# KiCad board pcb.kicad_pcb (continued)
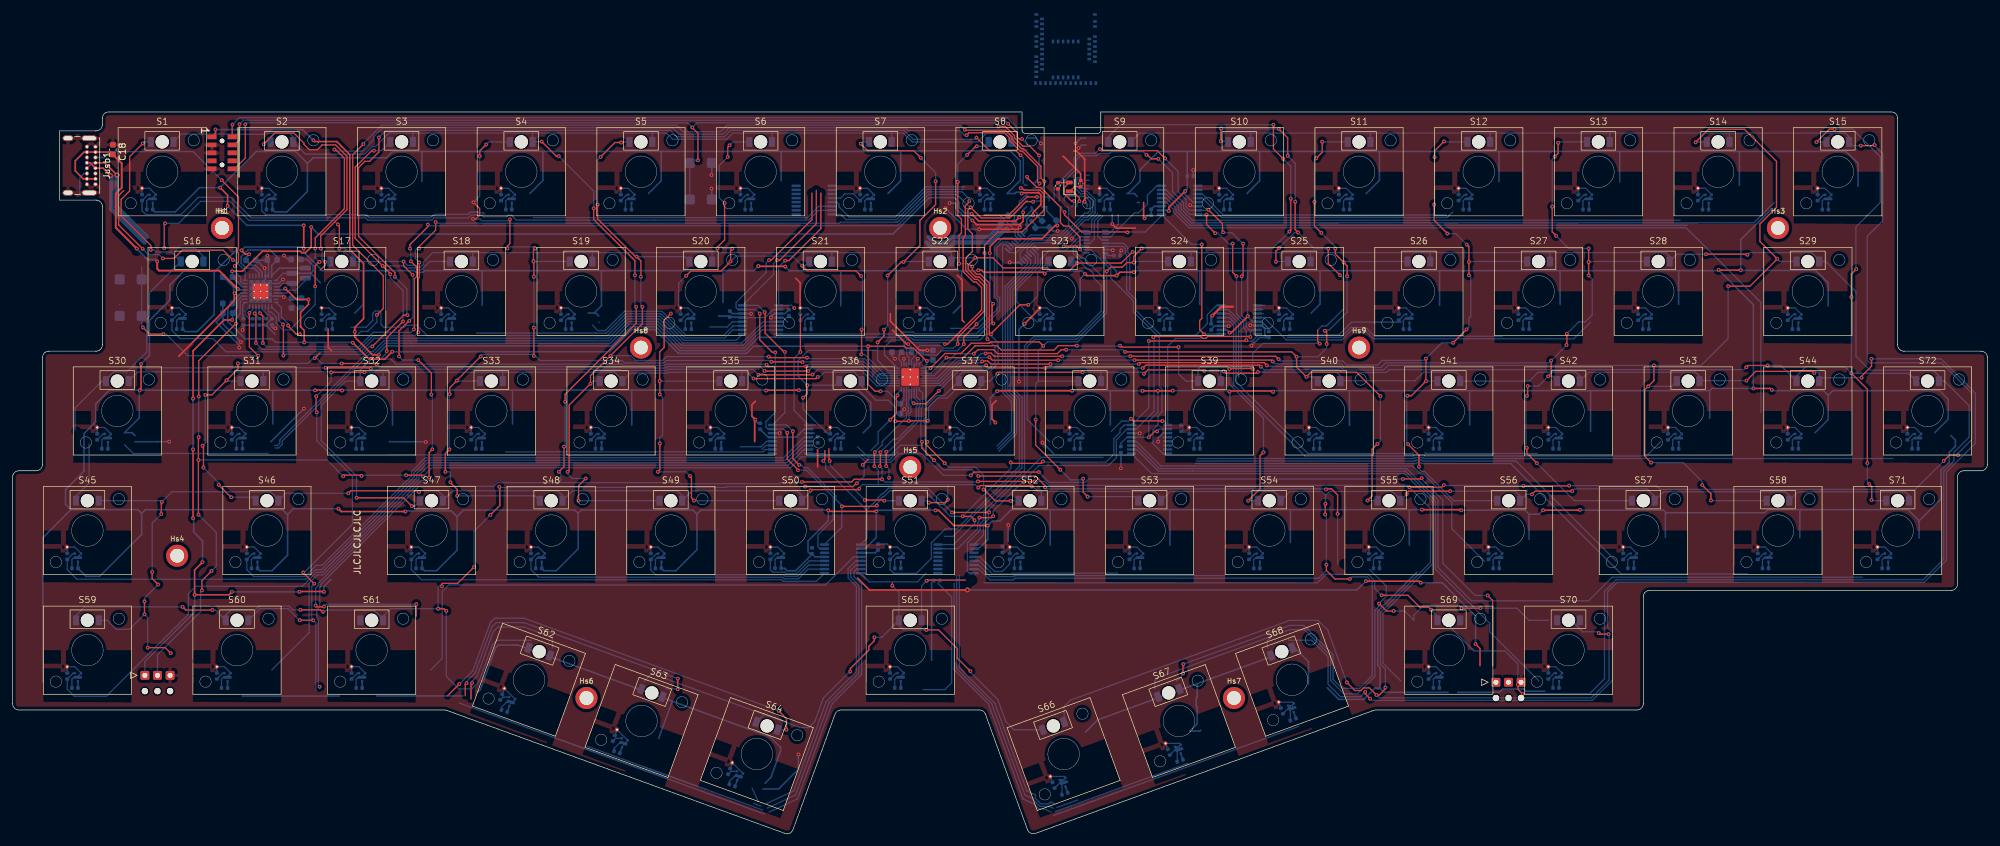
[diagram p0: board, top side]
## Routing (per net, layer and track width the routed paths; a pad name or vN(x,y) marks a point on that pad's centre or on a via; arc(x,y) is an arc through that point) (continued)
  Bottom w0.2: Cvout15.1 287.48,101.46 TMR15.1 ; 279.65,100.23 276.43,97.01 187.1,97.01 185.08,99.03 185.08,99.63 183.12,101.59 MUXB5.6
/ANA_16: length 106.1
  Bottom w0.2: TMR16.1 26.23,82.46 Cvout16.1 25.3,79.91 26.6,78.61 31.79,78.61 33.89,76.51 55.28,76.51 57.44,78.67 62.9,78.67 62.9,78.67 94.57,78.67 97.65,81.75 102.59,81.75 106.41,77.93 115.79,77.93 119.14,81.29 MUXB2.5
/ANA_17: length 71.7
  Bottom w0.2: TMR17.1 49.98,82.46 Cvout17.1 ; MUXB2.9 114.88,78.33 106.58,78.33 102.76,82.15 97.49,82.15 94.41,79.07 92.4,79.07 92.38,79.09 65.8,79.09 64.17,80.72 62.46,80.72 62.15,80.41 58.94,80.41 58.48,80.87 58.48,82.63 58.1,83.01 57.56,83.01 57.18,82.63 57.18,81.49 56.1,80.41 53.74,80.41
/ANA_18: length 47.2
  Bottom w0.2: Cvout18.1 68.98,82.46 TMR18.1 ; MUXB2.10 114.3,79.99 113.05,78.73 106.74,78.73 102.92,82.55 97.32,82.55 94.24,79.47 92.56,79.47 92.54,79.49 73.66,79.49
/ANA_19: length 29.3
  Bottom w0.2: Cvout19.1 87.98,82.46 TMR19.1 ; MUXB2.11 114.39,80.64 112.88,79.13 106.91,79.13 103.09,82.95 97.15,82.95 94.07,79.87 92.94,79.87 92.05,80.76
/ANA_20: length 7.1
  Bottom w0.2: TMR20.1 106.98,82.46 Cvout20.1 ; MUXB2.12 114.28,81.29 113.45,80.46 110.69,80.46
/ANA_21: length 3.3
  Bottom w0.2: TMR21.1 125.98,82.46 Cvout21.1 ; MUXB2.4 122.35,81.94 123.05,81.23
/ANA_22: length 24.6
  Bottom w0.2: TMR22.1 144.98,82.46 Cvout22.1 ; MUXA1.13 159.3,94.08 158.76,94.61 157.25,94.61 155.88,93.24 155.88,85.3 156.31,84.87 156.31,83.24 153.3,80.24 148.91,80.24
/ANA_23: length 23.2
  Bottom w0.2: TMR23.1 163.98,82.46 Cvout23.1 ; 162.62,81.23 159.42,84.43 159.42,86.48 163.17,90.23 163.17,91.19 164.58,92.6 167.14,92.6 169.29,94.75 MUXA2.6
/ANA_24: length 12.3
  Bottom w0.2: MUXA2.13 176.35,93.75 177.05,93.05 177.05,92.28 177.35,91.98 177.35,86.33 ; Cvout24.1 182.98,82.46 TMR24.1
/ANA_25: length 2.8
  Bottom w0.2: Cvout25.1 201.98,82.46 TMR25.1 ; MUXB6.9 198.79,83.89
/ANA_26: length 21.2
  Bottom w0.2: MUXB6.10 198.51,83.24 ; 202.54,79.2 210.54,79.2 212.57,81.23 220.45,81.23 ; TMR26.1 220.98,82.46 Cvout26.1
/ANA_27: length 37.9
  Bottom w0.2: 202.38,78.8 210.83,78.8 212.4,80.37 214.82,80.37 216.21,78.98 236.49,78.98 ; TMR27.1 239.98,82.46 Cvout27.1 ; MUXB6.11 198.59,82.59
/ANA_28: length 58.3
  Bottom w0.2: TMR28.1 258.98,82.46 Cvout28.1 ; MUXB6.12 198.68,81.94 202.21,78.4 211,78.4 212.57,79.97 214.65,79.97 216.04,78.58 247.85,78.58 250.5,81.23
/ANA_29: length 87.1
  Bottom w0.2: MUXB5.5 183.12,100.94 184.68,99.38 184.68,98.87 186.94,96.61 265.86,96.61 ; TMR29.1 282.73,82.46 Cvout29.1
/ANA_30: length 116.1
  Bottom w0.2: 17.76,61.76 19.17,60.35 40.59,60.35 ; MUXB2.7 118.98,79.99 116.12,77.13 106.08,77.13 102.29,80.93 97.96,80.93 94.9,77.87 63.23,77.87 59.1,77.87 57.37,76.14 56.61,76.14 42.8,62.33 42.8,61.82 42.21,61.23 41.7,61.23 ; TMR30.1 14.35,63.46 Cvout30.1
/ANA_31: length 93
  Bottom w0.2: 41.55,61.63 42.05,61.63 42.4,61.98 42.4,62.48 42.39,62.49 56.44,76.54 57.2,76.54 58.93,78.27 63.06,78.27 94.74,78.27 97.79,81.33 102.45,81.33 106.25,77.53 115.96,77.53 119.06,80.64 MUXB2.6 ; TMR31.1 35.73,63.46 Cvout31.1
/ANA_32: length 62.5
  Bottom w0.2: Cvout32.1 54.73,63.46 TMR32.1 ; MUXB3.9 120.44,60.14 59.76,60.14
/ANA_33: length 44.1
  Bottom w0.2: Cvout33.1 73.73,63.46 TMR33.1 ; MUXB3.10 119.5,60.99 119.14,60.62 78.28,60.62
/ANA_34: length 3.5
  Bottom w0.2: TMR34.1 92.73,63.46 Cvout34.1 ; 118.97,61.02 119.59,61.64 MUXB3.11
/ANA_35: length 7.1
  Bottom w0.2: TMR35.1 111.73,63.46 Cvout35.1 ; MUXB3.12 119.67,62.29 118.81,61.42 115.48,61.42
/ANA_36: length 47.2
  Bottom w0.2: 134.14,61.41 135.76,59.79 139.08,59.79 140.96,61.67 144.12,61.67 144.67,61.12 ; Cvout36.1 130.73,63.46 TMR36.1 ; 156.41,61.12 158.98,63.69 158.98,68.8 157.58,70.2 157.58,70.2 157.58,86.9 161.12,90.44 161.12,90.85 MUXA1.6
/ANA_37: length 36.4
  Bottom w0.2: 156.24,61.52 158.58,63.86 158.58,68.63 157.18,70.03 157.16,70.05 157.16,92.76 157.14,92.77 157.14,93.08 157.16,93.1 157.16,93.39 157.32,93.55 157.7,93.55 158.24,93.02 MUXA1.10 ; TMR37.1 149.73,63.46 Cvout37.1
/ANA_38: length 46.8
  Bottom w0.2: Cvout38.1 168.73,63.46 TMR38.1 ; MUXA2.3 169.91,93.25 169.7,93.46 169.18,93.46 168.82,93.11 168.82,92.27 169.63,91.46 170.01,91.46 173.28,88.19 173.28,82.86 168.93,78.51 162.26,78.51 161.06,77.31 161.06,65.78 164.61,62.23
/ANA_39: length 1.6
  Bottom w0.2: TMR39.1 187.73,63.46 Cvout39.1
/ANA_40: length 13.4
  Bottom w0.2: TMR40.1 206.73,63.46 Cvout40.1 ; 195.03,73.4 195.03,81.21 193,83.24 MUXB6.7
/ANA_41: length 13.6
  Bottom w0.2: MUXB6.6 193.09,82.59 194.63,81.04 194.63,72.45 ; Cvout41.1 225.73,63.46 TMR41.1
/ANA_42: length 64.3
  Bottom w0.2: Cvout42.1 244.73,63.46 TMR42.1 ; 224.2,60.52 224.36,60.36 238.86,60.36 238.87,60.37 239.53,60.37 239.54,60.36 242.02,60.36 ; 222.34,60.52 222.18,60.36 205.62,60.36 194.23,71.75 194.23,80.87 193.17,81.94 MUXB6.5
/ANA_43: length 86.8
  Bottom w0.2: 261.63,62.23 259.36,59.96 224.2,59.96 224.04,60.12 222.5,60.12 222.34,59.96 205.14,59.96 193.83,71.27 193.83,80.71 193.25,81.29 MUXB6.4 ; Cvout43.1 263.73,63.46 TMR43.1
/ANA_44: length 121.1
  Bottom w0.2: 277.55,66.88 277.55,84.35 265.7,96.2 265.21,96.2 265.2,96.21 186.77,96.21 184.28,98.7 184.28,99.13 183.12,100.29 MUXB5.4 ; Cvout44.1 282.73,63.46 TMR44.1
/ANA_45: length 131
  Bottom w0.2: MUXB3.5 125.63,62.29 122.63,59.29 65.7,59.29 63.74,57.33 63.74,56.63 48.98,41.87 48.04,41.87 46.55,40.38 10.21,40.38 8.68,41.91 Cvout45.1 9.6,44.46 TMR45.1
/ANA_46: length 102.4
  Bottom w0.2: TMR46.1 38.1,44.46 Cvout46.1 37.17,41.91 38.28,40.81 46.42,40.81 48.2,42.6 49.13,42.6 63.34,56.8 63.34,57.5 65.53,59.69 122.38,59.69 125.63,62.94 MUXB3.4
/ANA_47: length 70.1
  Bottom w0.2: TMR47.1 64.23,44.46 Cvout47.1 63.3,41.91 64.91,40.3 122.08,40.3 122.33,40.06 127.61,40.06 MUXB4.9
/ANA_48: length 51
  Bottom w0.2: TMR48.1 83.23,44.46 Cvout48.1 82.3,41.91 83.51,40.7 122.25,40.7 122.49,40.46 124.76,40.46 126.29,41.99 MUXB4.10
/ANA_49: length 32
  Bottom w0.2: TMR49.1 102.23,44.46 Cvout49.1 101.3,41.86 102.06,41.1 122.42,41.1 122.66,40.86 124.59,40.86 126.37,42.64 MUXB4.11
/ANA_50: length 12.9
  Bottom w0.2: MUXB4.12 126.46,43.29 124.43,41.26 122.83,41.26 122.58,41.5 120.71,41.5 120.3,41.91 Cvout50.1 121.23,44.46 TMR50.1
/ANA_51: length 69
  Bottom w0.2: MUXA1.3 161.8,92.31 162.37,91.74 162.37,90.56 158.38,86.57 158.38,70.53 158.38,70.53 159.84,69.07 159.84,58.3 149.92,48.38 148.08,48.38 145.85,46.15 145.85,43.68 143.48,41.31 139.9,41.31 139.3,41.91 Cvout51.1 140.23,44.46 TMR51.1
/ANA_52: length 9.6
  Bottom w0.2: 155.1,42.39 155.88,41.61 157.12,41.61 158.3,42.79 Cvout52.1 159.23,44.46 TMR52.1 ; 155.1,42.39 153.55,43.94 MUXB8.4 ; 155.1,42.39 155,42.49
/ANA_53: length 25.3
  Bottom w0.2: TMR53.1 178.23,44.46 Cvout53.1 ; 175.42,41.35 158.73,41.35 158.59,41.21 155.55,41.21 153.48,43.29 MUXB8.5
/ANA_54: length 42.3
  Bottom w0.2: TMR54.1 197.23,44.46 Cvout54.1 ; 159.28,40.95 158.96,40.95 158.82,40.81 155.18,40.81 153.35,42.64 MUXB8.6 ; 159.08,40.95 192.32,40.95
/ANA_55: length 58.8
  Bottom w0.2: 208.52,41.75 207.32,40.55 159.13,40.55 158.85,40.27 155.15,40.27 153.43,41.99 MUXB8.7 ; TMR55.1 216.23,44.46 Cvout55.1
/ANA_56: length 68
  Bottom w0.2: 233.65,43.23 228.48,48.4 228.48,52.6 223.97,57.11 223.51,57.11 222.26,58.36 187.58,58.36 187.58,58.36 182.3,58.36 178.37,62.29 MUXB7.12 ; Cvout56.1 235.23,44.46 TMR56.1
/ANA_57: length 75
  Bottom w0.2: 187.92,59.16 222.67,59.16 222.83,59.32 223.7,59.32 223.87,59.16 238.66,59.16 254.59,43.23 ; TMR57.1 256.6,44.46 Cvout57.1
/ANA_58: length 1.6
  Bottom w0.2: Cvout58.1 277.98,44.46 TMR58.1
/ANA_59: length 140.2
  Bottom w0.2: TMR59.1 9.6,25.46 Cvout59.1 8.68,22.91 9.81,21.78 14.87,21.78 27.9,34.81 27.91,34.81 27.91,38.09 29.08,39.26 46,39.26 48.21,41.47 49.14,41.47 64.14,56.47 64.14,57.16 65.87,58.89 122.88,58.89 125.63,61.64 MUXB3.6
/ANA_60: length 106.3
  Bottom w0.2: 41.14,25.96 47.07,31.89 47.07,39.76 48.38,41.07 49.31,41.07 64.54,56.3 64.54,56.94 66.09,58.49 123.13,58.49 125.63,60.99 MUXB3.7 ; TMR60.1 33.35,25.46 Cvout60.1
/ANA_61: length 83.5
  Bottom w0.2: MUXB4.4 133.51,43.94 129.05,39.47 69.24,39.47 68.2,38.43 68.2,27.81 66.37,25.98 ; TMR61.1 54.73,25.46 Cvout61.1
/ANA_62: length 129.8
  Bottom w0.2: 70.94,20.7 103.28,8.92 ; 87.05,14.83 119.39,3.06 ; Cvout62.1 77.87,21.66 TMR62.1 ; MUXB4.7 133.96,41.99 133.57,41.6 133.57,40.81 134.78,39.6 134.78,25.28 130.11,20.61 124.6,5.47 120.11,3.38
  Bottom w0.25: 71.49,21.84 57.82,21.84
/ANA_63: length 87.9
  Bottom w0.2: TMR63.1 95.74,15.11 Cvout63.1 ; 119.81,4.02 124.3,6.12 129.61,20.71 129.61,20.73 134.35,25.47 134.35,39.41 133.04,40.72 133.04,41.8 133.88,42.64 MUXB4.6 ; 100.16,10.59 119.09,3.7 ; 91.23,13.84 110.15,6.96
/ANA_64: length 51.3
  Bottom w0.2: MUXB4.5 133.88,43.29 132.64,42.05 132.64,40.55 133.95,39.25 133.95,25.72 129.16,20.93 124,6.76 119.51,4.66 ; 117.65,4.76 118.79,4.34 ; 117.39,7.19 118.38,5.08 ; Cvout64.1 114.04,9.86 TMR64.1
/ANA_65: length 23.3
  Bottom w0.2: Cvout65.1 140.23,25.46 TMR65.1 ; 146.85,39.76 149.07,37.54 149.07,23.93 147.99,22.85 144.55,22.85
/ANA_66: length 48.9
  Bottom w0.2: 150.3,40.96 150.3,26.32 155.93,20.69 161,6.76 162.36,6.12 162.36,5.58 163.24,4.7 164.48,4.7 164.78,4.99 165.49,4.66 ; Cvout66.1 166.69,8.5 TMR66.1 ; 165.8,4.11 169.08,5.31
/ANA_67: length 67.8
  Bottom w0.2: 165.19,4.02 164.59,4.3 163.07,4.3 161.96,5.41 161.96,5.53 160.7,6.12 155.41,20.64 149.87,26.18 149.87,40.74 ; TMR67.1 184.99,13.75 Cvout67.1 ; 165.5,3.47 186.57,11.14
/ANA_68: length 86.3
  Bottom w0.2: 149.47,39.75 149.47,26.02 154.9,20.58 160.4,5.47 162.15,4.66 162.91,3.9 163.78,3.9 164.89,3.38 ; 165.2,2.83 204.12,17 ; Cvout68.1 202.94,20.3 TMR68.1
/ANA_69: length 85.5
  Bottom w0.2: TMR69.1 225.73,25.46 Cvout69.1 ; MUXB7.9 180.81,57.16 220.97,57.16 225.48,52.65 225.48,42.88 217.54,34.95 217.54,27.05 220.36,24.23
/ANA_70: length 88.6
  Bottom w0.2: 242.3,24.23 234.49,32.04 234.49,33.39 225.88,42 225.88,52.82 221.14,57.56 187.25,57.56 187.25,57.56 181.88,57.56 178.46,60.99 MUXB7.10 ; TMR70.1 244.73,25.46 Cvout70.1
/ANA_71: length 135.6
  Bottom w0.2: Cvout71.1 296.98,44.46 TMR71.1 ; MUXB7.11 178.37,61.64 182.05,57.96 187.42,57.96 187.42,57.96 221.3,57.96 226.28,52.98 226.28,42.27 231.6,36.95 250.17,36.95 253.92,40.7 293.61,40.7
/ANA_72: length 1.6
  Bottom w0.2: Cvout72.1 301.73,63.46 TMR72.1
/CS0: length 167.9
  Top w0.2: v1(166.32,57.78) 162.41,61.69 v1(162.41,65.75) ; v1(179.24,92.93) 177.99,91.68 177.99,90.7 v1(178,90.69) 176.9,90.69 176.17,89.96 174.33,89.96 v1(173.68,89.31) ; v1(163.62,77.45) 162.99,78.07 155.25,78.07 155.05,77.87 152.18,77.87 150.55,76.24 148.03,76.24 v1(145.71,73.92) ; v1(202.91,100.84) 202.91,95.82 v1(202.69,95.6) ; v1(200.16,112.59) 200.16,108.72 v1(201.72,107.16) ; v1(170.66,53.5) 169.95,54.21 v1(169.95,56.37)
  Bottom w0.2: v1(170.66,53.5) 178.06,53.5 D53.1 ; v1(162.41,65.75) 162.41,71.42 162.84,71.85 ; v1(200.16,112.59) 175.88,112.59 173.95,110.66 D9.1 ; v1(202.69,95.6) 200.02,92.93 v1(179.24,92.93) ; v1(178,90.69) 178.17,90.86 D24.1 ; v1(173.68,89.31) 173.68,82.7 169.09,78.11 164.28,78.11 162.84,76.67 162.84,71.85 ; D38.1 162.85,71.86 162.84,71.85 ; v1(145.71,73.92) 145.3,73.51 LEDDR1.2 ; v1(166.32,57.78) 167.93,56.17 169.75,56.17 v1(169.95,56.37) ; v1(201.72,107.16) 202.91,105.97 v1(202.91,100.84)
/CS1: length 164.4
  Top w0.2: v1(185.11,77.26) 176.02,77.26 v1(175.8,77.48) ; v1(204.08,95.46) 203.61,95.93 v1(203.61,100.35) ; v1(198.58,60.55) 198.03,60 198.03,54.74 v1(196.14,52.85) ; v1(191.86,111.99) 191.81,111.94 v1(191.81,109.96) ; v1(193.16,73.76) 193.26,73.86 196.83,73.86 v1(196.93,73.75) ; v1(202.42,107.65) 202.42,110.51 v1(201.01,111.92) ; v1(208.86,92.89) 208.86,90.55 v1(210.72,88.69) ; v1(201.09,93.04) 200.55,92.5 v1(200.55,90.81) ; v1(148.24,75.59) 150.94,75.59 152.82,77.47 156.28,77.47 156.96,76.79 165.32,76.79 166.02,77.49 v1(168.95,77.49) ; v1(207.51,77.79) 207.18,78.11 207.18,79.94
  Bottom w0.2: v1(196.93,73.75) 196.87,73.81 196.87,76.26 198.46,77.85 207.44,77.85 v1(207.51,77.79) ; v1(201.09,93.04) 203.51,95.46 v1(204.08,95.46) 206.65,92.89 v1(208.86,92.89) ; v1(200.55,90.81) 200.6,90.86 D25.1 ; D54.1 196.15,52.86 v1(196.14,52.85) ; v1(168.95,77.49) 169.01,77.43 175.75,77.43 v1(175.8,77.48) ; LEDDR1.3 145.76,73.11 v1(148.24,75.59) ; v1(201.01,111.92) 191.93,111.92 v1(191.86,111.99) ; v1(202.42,107.65) 203.61,106.46 v1(203.61,100.35) ; v1(191.81,109.96) 192.85,109.96 D10.1 ; v1(210.72,88.69) 211.33,88.08 211.33,83.36 208.6,80.63 207.87,80.63 207.18,79.94 ; v1(185.11,77.26) 185.11,73 186.25,71.86 D39.1 188.2,73.74 188.61,74.15 192.78,74.15 v1(193.16,73.76) 193.1,73.7 193.1,71.43 198.58,65.95 v1(198.58,60.55)
/CS2: length 157.7
  Top w0.2: v1(215.09,52.89) 215.82,53.62 215.82,61.03 v1(216.68,61.89) ; v1(208.32,79.85) 208.55,79.85 208.61,79.79 v1(208.61,77.75) ; v1(176.59,76.49) 203.06,76.49 v1(203.83,75.72) 203.83,74.1 v1(205.4,72.53) 206.13,73.26 213.35,73.26 v1(217.14,69.47) ; v1(209.99,92.9) 209.99,92.04 v1(211.31,90.72) 211.85,90.18 v1(211.85,88.51) ; v1(152.6,76.21) 153.23,76.84 155.75,76.84 156.37,76.22 165.86,76.22 166.48,76.84 v1(167.26,76.84) ; v1(206.95,107.26) 207.9,108.21 v1(207.9,109.9) ; v1(206.67,100.35) 206.67,96.5 v1(207.77,95.4)
  Bottom w0.2: v1(211.31,90.72) 211.45,90.86 D26.1 ; v1(207.9,109.9) 207.94,109.86 D11.1 ; D40.1 206.53,72.53 v1(205.4,72.53) ; v1(215.09,52.89) 215.12,52.86 D55.1 ; v1(206.95,107.26) 206.67,106.98 v1(206.67,100.35) ; v1(167.26,76.84) 176.24,76.84 v1(176.59,76.49) ; v1(217.14,69.47) 217.14,62.35 v1(216.68,61.89) ; LEDDR1.4 146.25,72.71 149.75,76.21 v1(152.6,76.21) ; v1(203.83,75.72) 207.22,75.72 208.61,77.11 v1(208.61,77.75) ; v1(211.85,88.51) 211.85,82.82 209.02,79.99 208.46,79.99 v1(208.32,79.85) ; v1(209.99,92.9) 209.99,93.18 v1(207.77,95.4)
/CS3: length 174.4
  Top w0.2: v1(166.63,75.8) 155.83,75.8 155.33,76.3 154.51,76.3 v1(154.45,76.24) ; v1(231.19,88.68) v1(231.19,90.77) 231.19,93.2 v1(230.85,93.54) ; v1(200.98,75.33) 200.5,75.81 v1(177.43,75.81) ; v1(227.79,95.29) 225.67,97.41 v1(225.67,99.93) ; v1(230.82,80.08) v1(228.68,77.94) ; v1(223.27,58.27) 223.27,60.08 v1(221.53,61.82) ; v1(227.25,109.94) 225.74,108.43 v1(225.74,107.4) ; v1(221.44,69.54) 222.06,69.54 v1(224.37,71.85) 224.37,75.42 v1(224.36,75.43)
  Bottom w0.2: D56.1 228.78,52.86 224.13,57.51 223.71,57.51 223.27,57.95 v1(223.27,58.27) ; v1(221.44,69.54) 221.32,69.42 221.32,62.03 v1(221.53,61.82) ; LEDDR1.5 146.75,72.31 150,75.56 153.09,75.56 153.76,76.24 v1(154.45,76.24) ; D41.1 224.38,71.86 v1(224.37,71.85) ; v1(225.67,99.93) 225.74,100 v1(225.74,107.4) ; D12.1 227.33,109.86 v1(227.25,109.94) ; D27.1 231.28,90.86 v1(231.19,90.77) ; v1(230.82,80.08) 231.19,80.45 231.19,81.85 231.48,82.14 231.48,88.39 v1(231.19,88.68) ; v1(228.68,77.94) 226.87,77.94 v1(224.36,75.43) 224.08,75.15 217.42,75.15 216.69,74.42 211.8,74.42 211.16,75.06 201.25,75.06 v1(200.98,75.33) ; v1(227.79,95.29) 229.1,95.29 v1(230.85,93.54) ; v1(177.43,75.81) 177.42,75.8 v1(166.63,75.8)
/CS4: length 198.2
  Top w0.2: v1(246.68,77.58) 246.74,77.64 v1(246.74,79.38) ; v1(165.98,75.17) 155.54,75.17 v1(155.06,75.65) ; v1(240.38,61.25) 240.38,60.42 v1(241.98,58.82) ; v1(250.2,88.62) v1(250.2,90.77) v1(250.2,92.93) ; v1(245.36,109.71) 245.36,108.06 v1(244.82,107.52) ; v1(243.78,72.61) 244.25,73.08 v1(244.25,75.11) ; v1(200.04,74.98) 199.83,75.19 v1(178.1,75.19) ; v1(244.42,99.58) 244.42,95.55 v1(245.04,94.93) ; v1(240.39,69.51) 240.52,69.64 v1(240.52,71.07) 240.47,71.02
  Bottom w0.2: v1(250.2,90.77) 250.29,90.86 D28.1 ; D57.1 247.94,52.86 v1(241.98,58.82) ; v1(244.82,107.52) 244.42,107.12 v1(244.42,99.58) ; v1(245.04,94.93) 247.04,92.93 v1(250.2,92.93) ; v1(155.06,75.65) 155.01,75.59 153.69,75.59 153.25,75.16 150.16,75.16 146.91,71.91 LEDDR1.6 ; v1(246.68,77.58) 246.68,77.54 v1(244.25,75.11) 243.89,74.75 217.98,74.75 217.25,74.02 211.43,74.02 210.84,74.61 200.41,74.61 v1(200.04,74.98) ; D13.1 245.51,109.86 v1(245.36,109.71) ; v1(240.39,69.51) 240.24,69.36 240.24,61.39 v1(240.38,61.25) ; v1(165.98,75.17) 166,75.19 v1(178.1,75.19) ; v1(240.52,71.07) 242.24,71.07 v1(243.78,72.61) 244.45,72.61 D42.1 ; v1(250.2,88.62) 250.77,88.05 250.77,82.39 249.65,81.27 248.63,81.27 v1(246.74,79.38)
/CS5: length 231.8
  Top w0.2: v1(164.76,74.56) 155.3,74.56 154.81,75.05 153.99,75.05 v1(153.92,74.98) ; v1(260.57,74.35) 260.57,71.95 v1(259.65,71.03) 259.11,70.49 259.11,59.91 v1(260.11,58.91) ; v1(178.78,74.58) 178.99,74.79 198.67,74.79 v1(199.11,74.35) ; v1(267.17,109.79) 269.24,111.86 274.93,111.86 280.02,106.77 280.02,99.45 277.39,96.82 277.39,94.03 v1(280.15,91.27) 275.82,86.94 v1(272.34,86.94) ; v1(269.62,52.89) 269.62,53.95 v1(268.23,55.34)
  Bottom w0.2: v1(164.76,74.56) 178.76,74.56 v1(178.78,74.58) ; D58.1 269.65,52.86 v1(269.62,52.89) ; D29.1 280.56,90.86 v1(280.15,91.27) ; v1(153.92,74.98) 153.7,74.76 150.33,74.76 147.08,71.51 LEDDR1.7 ; v1(260.11,58.91) 265.2,58.91 268.23,55.88 v1(268.23,55.34) ; v1(199.11,74.35) 199.25,74.21 210.67,74.21 211.26,73.62 217.61,73.62 218.34,74.35 v1(260.57,74.35) 268.05,74.35 272.34,78.64 v1(272.34,86.94) ; v1(259.65,71.03) 263.37,71.03 D43.1 ; D14.1 267.24,109.86 v1(267.17,109.79)
/CS6: length 238.5
  Top w0.2: v1(292.69,89.65) 291.91,88.87 v1(291.91,85.19) ; v1(294.44,58.85) 294.44,70.57 v1(291.91,73.1) ; v1(289.24,111.89) 288.42,111.89 v1(286.35,109.82) ; v1(295.11,52.97) 295.14,53 295.14,55.09 v1(294.72,55.51) ; v1(275.22,74.06) 275.5,74.34 v1(278.62,74.34) ; v1(163.94,73.94) 154.86,73.94 154.54,74.26 v1(154.54,74.4) ; v1(179.42,73.93) 179.88,74.39 197.92,74.39 v1(198.16,74.15)
  Bottom w0.2: v1(163.94,73.94) 163.95,73.93 v1(179.42,73.93) ; v1(198.16,74.15) 198.63,73.68 210.61,73.68 211.07,73.22 218.05,73.22 218.51,73.68 274.84,73.68 v1(275.22,74.06) ; v1(286.35,109.82) 286.39,109.86 D15.1 ; v1(291.91,73.1) 300.96,73.1 D72.1 ; v1(291.91,73.1) v1(291.91,85.19) ; v1(291.91,73.1) 290.88,74.13 284.67,74.13 283.2,72.66 D44.1 280.72,74.34 v1(278.62,74.34) ; v1(289.24,111.89) 292.1,111.89 296.5,107.49 296.5,100.24 292.63,96.37 292.63,89.71 v1(292.69,89.65) ; v1(295.11,52.97) 295.22,52.86 D71.1 ; LEDDR1.8 147.26,71.11 150.45,74.3 154.44,74.3 v1(154.54,74.4) ; v1(294.44,58.85) 294.44,55.79 v1(294.72,55.51)
/CS7: length 186.9
  Top w0.2: v1(208.5,54.65) 208.59,54.74 209.38,54.74 210.34,53.78 v1(210.34,50.77) ; v1(153.3,56.76) 162.38,56.76 163.92,55.22 v1(163.92,54.96) ; v1(219.25,35.33) 218.1,35.33 v1(216.93,36.51) ; v1(146.27,59.28) 144.34,61.21 144.34,62.19 v1(144.37,62.22) ; v1(230.03,35.78) 233,35.78 v1(233.01,35.78)
  Bottom w0.2: v1(208.5,54.65) 208.41,54.74 164.15,54.74 v1(163.92,54.96) ; v1(219.25,35.33) 220.98,35.33 222.45,33.86 222.45,34.66 224.03,36.24 229.57,36.24 v1(230.03,35.78) ; 199.95,31.34 199.18,30.58 199.18,29.46 ; 199.95,31.34 202.72,32.35 205.11,32.35 209.23,28.24 209.23,24.27 211.32,22.18 213.51,22.18 216.26,24.93 216.26,35.43 216.93,36.09 v1(216.93,36.51) 218.07,37.65 218.07,39.28 215.45,41.9 ; 199.95,31.34 181.81,24.74 181.33,24.27 181.33,22.96 ; v1(144.37,62.22) 144.2,62.39 144.2,65.26 144.25,65.31 144.25,67.52 144.47,67.74 144.47,69.95 LEDDR1.9 ; 210.37,42.81 210.34,42.84 v1(210.34,50.77) ; v1(233.01,35.78) 238.8,35.78 240.72,33.86 243.82,33.86 ; v1(146.27,59.28) 147.78,57.77 152.29,57.77 v1(153.3,56.76)
/CS8: length 109
  Top w0.2: v1(152.04,25.78) 149.96,27.86 149.96,29.37 147,32.33 v1(145.05,32.33) ; v1(136.81,31.15) 136.81,30.61 136.8,30.61 135.92,29.73 135.92,29.11 132.98,26.17 v1(132.98,25.7) ; 139.66,39.8 v1(139.66,39.35) ; v1(138.69,58.35) v1(138.69,60.63) ; 139.07,56.43 v1(139.13,56.49)
  Bottom w0.2: v1(138.69,60.63) 139.01,60.63 143.85,65.47 143.85,67.69 144.07,67.91 144.07,68.78 143.5,69.35 LEDDR1.10 ; v1(145.05,32.33) 141.43,32.33 140.7,33.06 D65.1 ; D65.1 137.99,31.15 v1(136.81,31.15) ; D65.1 140.7,38.31 v1(139.66,39.35) ; D66.1 158.96,16.46 157.69,17.73 156.4,21.27 152.04,25.63 v1(152.04,25.78) ; D64.1 118.08,17.69 119.29,18.9 ; v1(138.69,58.35) 139.13,57.91 v1(139.13,56.49) ; 119.29,18.9 125,16.82 126.4,16.82 127.35,17.77 128.71,21.52 132.89,25.7 v1(132.98,25.7) ; 119.29,18.9 101.48,25.38 100.29,24.19 100.28,24.19
/CS9: length 193.6
  Top w0.2: v1(73.25,42.32) 70.65,39.72 68.22,39.72 68.16,39.66 v1(68.16,39.25) ; v1(27,35.98) 27.49,35.49 v1(31.72,35.49) ; v1(140.48,69.6) 140.3,69.41 140.3,66.7 v1(139.31,65.71) ; v1(67.55,35.7) 68.49,35.7 v1(68.85,35.34) ; v1(125.81,55.11) 133.44,55.11 133.95,55.62 v1(134.03,55.62) ; v1(77.26,55.08) 77.35,54.99 77.35,52.1 v1(75.83,50.58) ; v1(45.69,35.52) 48.82,35.52 48.94,35.41 49.08,35.41 v1(49.28,35.21) ; v1(134.96,58.55) 135.86,59.45
  Bottom w0.2: v1(134.96,58.55) 135.18,58.32 135.18,56.77 v1(134.03,55.62) ; v1(68.85,35.34) 68.85,24.95 70.83,22.97 72.93,22.97 74,24.04 76.17,29.99 76.87,30.69 82.31,30.69 ; LEDDR1.16 140.48,69.91 v1(140.48,69.6) ; v1(77.26,55.08) 77.39,54.95 88.39,54.95 88.4,54.96 113.26,54.96 113.39,55.09 125.13,55.09 125.15,55.11 v1(125.81,55.11) ; v1(75.83,50.58) 73.25,48 v1(73.25,42.32) ; v1(49.28,35.21) 49.55,35.21 49.82,35.48 57.33,35.48 58.95,33.86 58.95,34.66 59.99,35.7 v1(67.55,35.7) 67.55,39.11 67.91,39.47 68.16,39.47 v1(68.16,39.25) ; v1(139.31,65.71) 137.4,63.8 137.4,61.97 136.27,60.84 ; v1(27,35.98) 11.4,35.98 10.07,34.66 D59.1 ; v1(31.72,35.49) 32.2,35.49 D60.1 33.83,34.66 34.69,35.52 38.52,35.52 39.11,36.11 43.89,36.11 44.48,35.52 v1(45.69,35.52) 45.66,35.49
/CS10: length 196.1
  Top w0.2: v1(126.99,72.9) 126.94,72.85 118.44,72.85 v1(118.42,72.87) ; v1(20.65,109.6) 18.58,107.53 18.58,102.06 17.23,100.71 17.23,98.13 21.94,93.42 v1(21.94,92.71) ; v1(49.69,73.96) 56.75,73.96 v1(56.85,73.86)
  Bottom w0.2: v1(20.65,109.6) 20.91,109.86 D1.1 ; 18.77,73.96 18.16,73.35 16.13,73.35 14.82,72.04 D30.1 14.18,71.86 9.92,67.6 9.92,64.07 ; 18.77,73.96 21.3,76.49 21.3,81.66 21.73,82.1 21.73,85.89 D16.1 25.19,92.37 22.77,92.37 22.43,92.71 v1(21.94,92.71) ; 18.77,73.96 v1(49.69,73.96) ; LEDDR1.17 137.16,71.11 134.57,73.7 127.79,73.7 v1(126.99,72.9) ; D45.1 10.07,53.6 12.14,55.66 12.14,61.84 ; v1(118.42,72.87) 117.55,73.74 104.04,73.74 103.83,73.53 96.62,73.53 96.41,73.74 56.97,73.74 v1(56.85,73.86)
/CS11: length 180.3
  Top w0.2: v1(34.71,53.41) 34.68,53.41 v1(32.73,55.36) ; v1(57.79,74.56) 57.7,74.65 v1(52.23,74.65) ; 48.82,89.48 49.61,90.27 v1(49.61,90.78) 49.6,90.78 49.48,90.78 49.3,90.96 ; 48.82,76.35 v1(47.98,75.51) ; v1(30.58,69.67) 31.65,69.67 v1(33.96,71.98) 35.77,73.79 v1(35.77,74.66) ; v1(119.36,73.48) 119.38,73.46 v1(126.32,73.46) ; v1(39.87,109.49) 41.63,111.26 44.65,111.26 46.25,109.66 46.25,109.49 47.13,108.61 48.37,108.61 49.13,109.37 51.28,109.37 53.08,107.57 53.08,99.09 48.91,94.92 v1(48.91,92.92) ; v1(30.3,58.11) 30.3,61.46 v1(30.16,61.6)
  Bottom w0.2: D17.1 49.68,90.86 v1(49.61,90.78) 49.12,91.27 49.12,92.71 v1(48.91,92.92) ; v1(52.23,74.65) 49.1,74.65 48.24,75.51 v1(47.98,75.51) 47.72,75.51 46.87,74.66 v1(35.77,74.66) ; v1(126.32,73.46) 126.96,74.1 134.84,74.1 137.43,71.51 LEDDR1.18 ; v1(30.3,58.11) 32.73,55.68 v1(32.73,55.36) ; v1(34.71,53.41) 38.02,53.41 D46.1 ; v1(57.79,74.56) 58.21,74.14 96.57,74.14 96.79,73.93 103.67,73.93 103.88,74.14 118.7,74.14 v1(119.36,73.48) ; D31.1 34.08,71.86 v1(33.96,71.98) ; v1(30.58,69.67) 30.58,62.02 v1(30.16,61.6) ; v1(39.87,109.49) 40.23,109.86 D2.1
/CS12: length 185
  Top w0.2: v1(125.98,74.19) 125.96,74.17 119.95,74.17 v1(119.68,74.44) ; v1(61.99,81.34) 59.4,78.75 v1(59.4,76.61) ; v1(54.6,53.31) 62.07,53.31 v1(63.38,52) ; v1(59.95,88.84) 59.95,88.96 v1(58.75,90.16) 54.39,94.52 54.39,105.85 57.01,108.47 v1(57.37,108.47)
  Bottom w0.2: LEDDR1.19 137.6,71.91 135.01,74.5 126.29,74.5 v1(125.98,74.19) ; 56.92,75.36 58.43,75.36 59.4,76.33 v1(59.4,76.61) 59.4,76.61 ; 56.92,75.36 60.02,75.36 60.83,74.55 96.73,74.55 96.95,74.33 103.5,74.33 103.72,74.55 119.57,74.55 v1(119.68,74.44) ; 56.92,75.36 55.2,73.64 ; 56.92,75.36 55.2,73.64 ; v1(54.6,53.31) 54.6,56.8 49,62.4 49,67.97 52.89,71.86 D32.1 ; D32.1 55.2,73.64 ; D32.1 55.2,73.64 ; D47.1 63.84,52 v1(63.38,52) ; v1(57.37,108.47) 58.56,108.47 D3.1 ; v1(59.95,88.84) 59.95,88.24 61.99,86.2 v1(61.99,81.34) ; D18.1 66.21,90.86 64.89,89.54 64.26,89.54 63.96,89.84 62.52,89.84 62.2,90.16 v1(58.75,90.16)
/CS13: length 168
  Top w0.2: v1(78.94,97.53) 78.94,93.7 78.55,93.31 v1(78.55,92.92) ; v1(120.47,74.93) 120.48,74.92 125.37,74.92 v1(125.41,74.88) ; v1(82.75,80.34) v1(82.75,75.85) ; v1(73.16,100.26) 74.14,99.28 74.14,98.22 73.56,97.64 v1(73.09,97.64) ; v1(74.15,107.58) 74.15,108.41 v1(75.18,109.44) ; v1(70.58,53.63) 70.58,54.65 69.5,55.73 v1(69.5,55.79) ; v1(69.39,69.78) 69.39,70.79 v1(70.53,71.93) 70.53,71.99 v1(74.32,75.78) ; v1(82.95,92.92) 82.95,93.09 82.89,93.15 82.79,93.15 82.69,93.05 v1(82.69,90.88) 82.75,90.82 v1(82.75,88.44) ; v1(69.35,61.01) 68.69,60.35 v1(68.69,57.44)
  Bottom w0.2: v1(78.55,92.92) 78.55,93.15 78.57,93.17 82.93,93.17 82.95,93.15 v1(82.95,92.92) ; v1(120.47,74.93) 120.27,75.13 103.73,75.13 103.33,74.73 97.12,74.73 96.72,75.13 83.73,75.13 83.02,75.85 v1(82.75,75.85) 82.5,76.1 74.64,76.1 v1(74.32,75.78) ; LEDDR1.20 137.78,72.31 135.17,74.92 125.45,74.92 v1(125.41,74.88) ; v1(70.53,71.93) 70.6,71.86 D33.1 ; v1(82.75,80.34) v1(82.75,88.44) ; v1(75.18,109.44) 75.6,109.86 D4.1 ; v1(78.94,97.53) 78.74,97.33 74.48,97.33 74.22,97.6 73.13,97.6 v1(73.09,97.64) ; v1(69.39,69.78) 69.3,69.69 69.3,61.06 v1(69.35,61.01) ; v1(74.15,107.58) 74.15,101.25 v1(73.16,100.26) ; D19.1 82.71,90.86 v1(82.69,90.88) ; D48.1 82.93,53.63 v1(70.58,53.63) ; v1(68.69,57.44) 69.37,57.44 69.5,57.31 v1(69.5,55.79)
